# Altium PCB Bran_Main_Assay_PCB_v2_20170726.PcbDoc (part 2 of 5)
Units mil, origin at the board's own origin, x right, y up, seen from the top; angles counter-clockwise.
Board outline 3608.46 x 1899.79 mil, 6 copper layers (TOP, GND1, Singal, POWER, GND2, BOTTOM), stack 31.508 mil thick; 365 components, 289 nets, 1399 pads, 974 vias.
Unrouted connection lines stored in the file: 1.
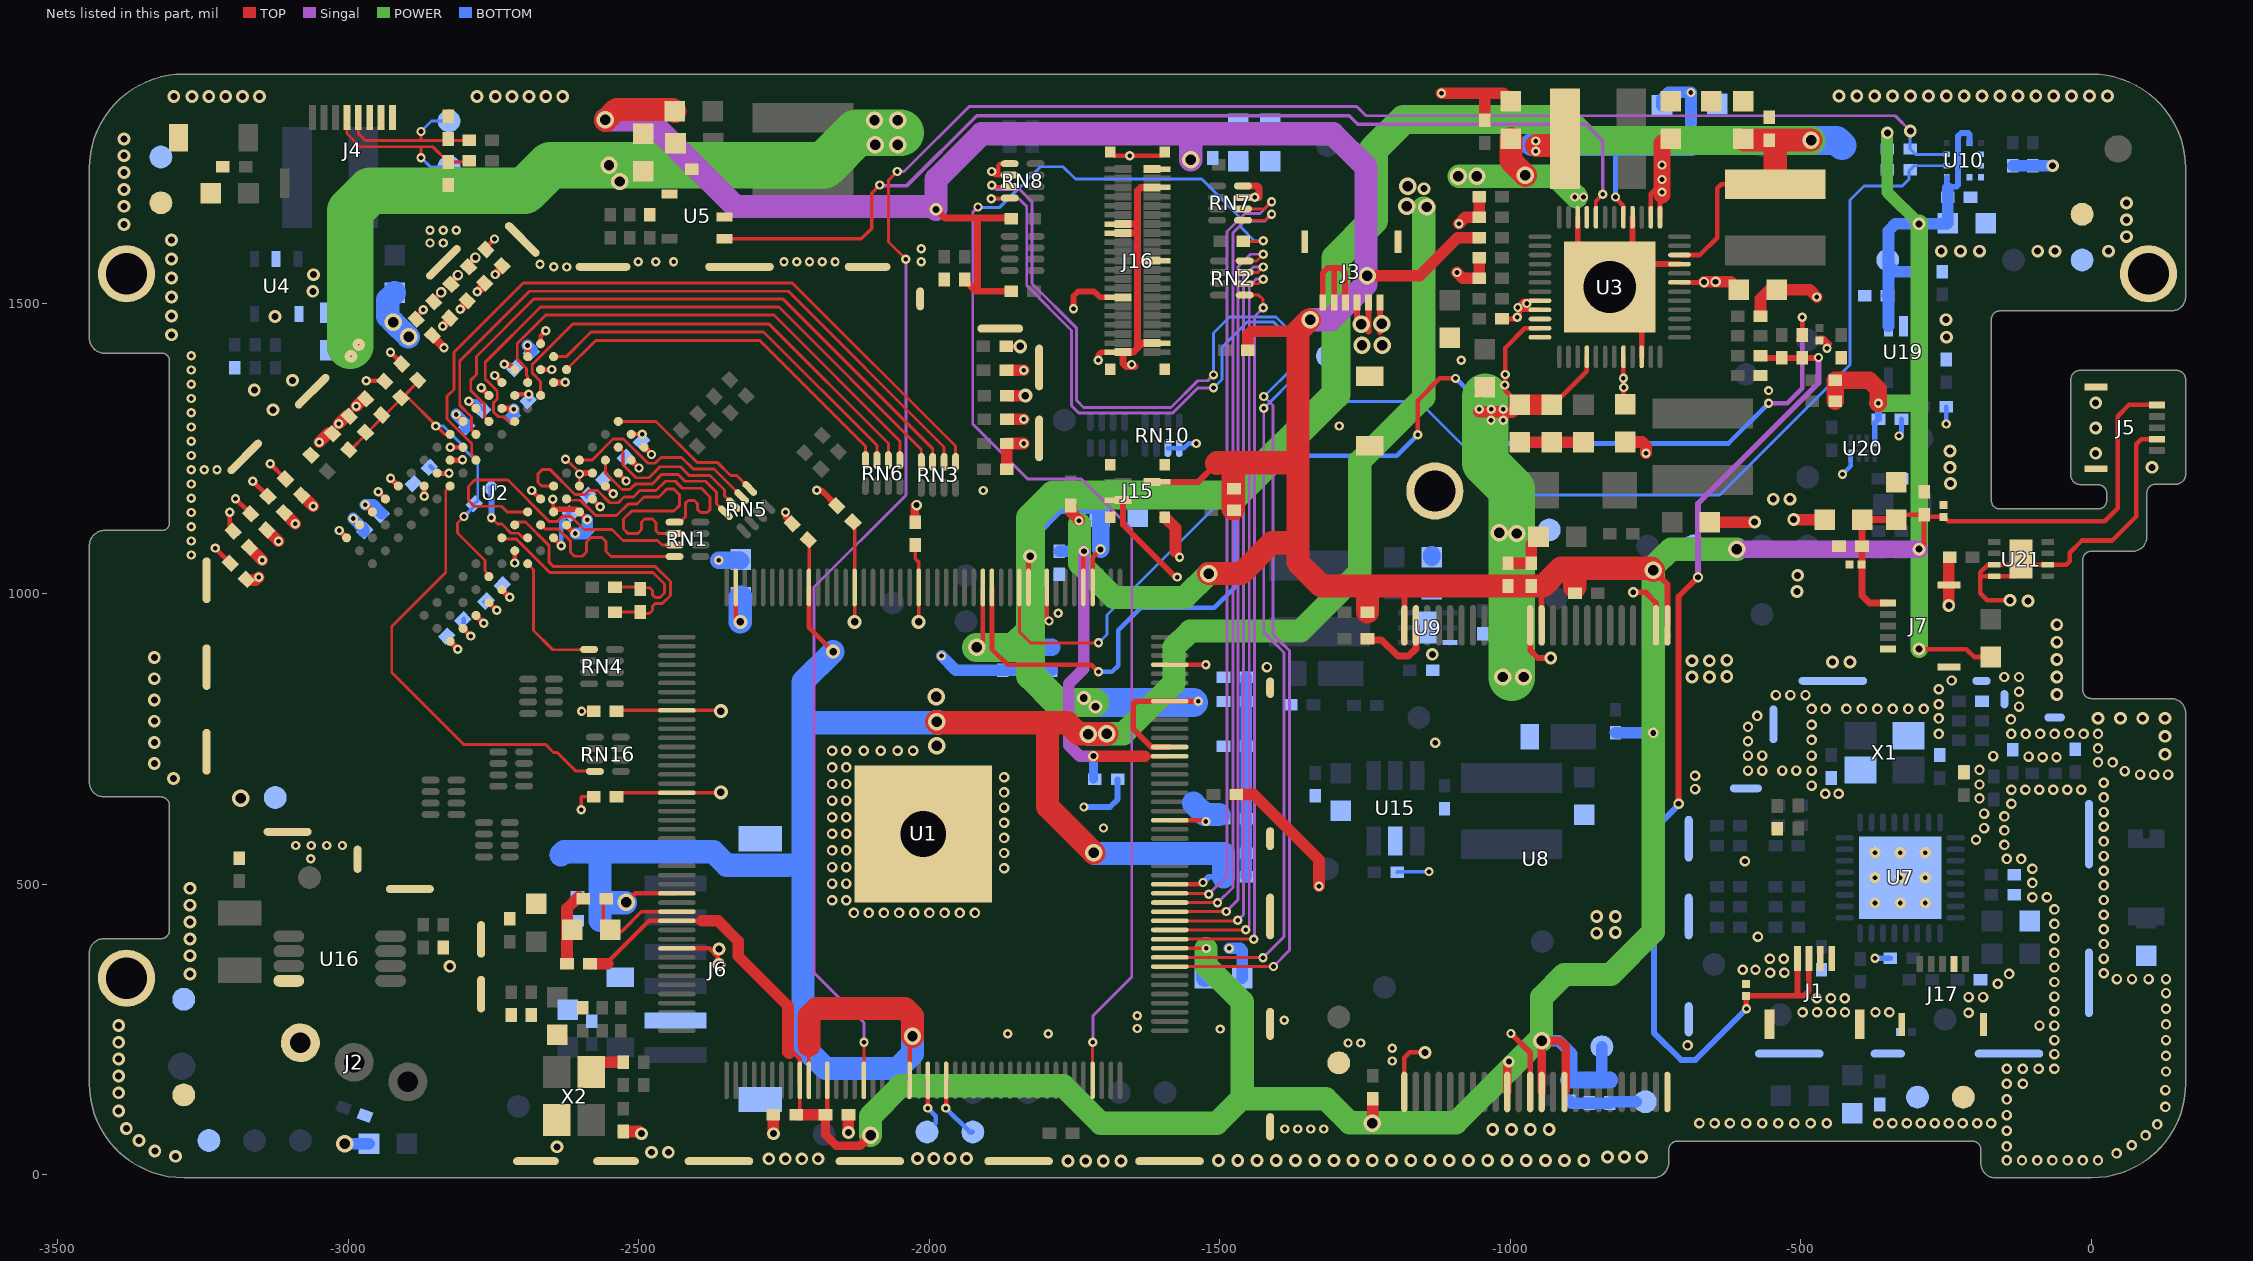
[diagram p6: the nets of this part, all layers, seen from the top]

## Via types
v1: diameter 16, hole 8, TOP to BOTTOM, tented both sides, 429 vias
v2: diameter 18, hole 10, TOP to BOTTOM, tented both sides, 255 vias
v3: diameter 22, hole 12, TOP to BOTTOM, tented both sides, 197 vias
v4: diameter 30, hole 18, TOP to BOTTOM, tented both sides, 69 vias
v5: diameter 24, hole 13, TOP to BOTTOM, tented both sides, 11 vias
v6: diameter 19.68, hole 7.87, TOP to BOTTOM, 9 vias
v7: diameter 22, hole 2, TOP to BOTTOM, tented both sides, 2 vias
v8: diameter 20, hole 10, TOP to BOTTOM, tented both sides, 1 vias
v9: diameter 17.99, hole 10, TOP to BOTTOM, tented both sides, 1 vias

## Nets (pads, with @x,y where several pads share a name; then routed paths per layer and width w, separated by ;. In a path a pad name is that pad's centre, name@x,y a point inside that pad or via, vN(x,y) a via of type N, cw(c..) or ccw(c..) an arc to the next point about the centre after c; other vN are vias at no path point) (continued)
BUTTON: D2.1 J1.1 J1.2 R22.2 R211.1 R212.1 TP31.1 | length 1898.2
  TOP w10: v2(-710.46,639) -710.46,995.39 v2(-677.02,1028.83) ; D2.1@-594,307.57 -594,286.54 v1(-593.46,286) ; D2.1@-594,308.31 -494.02,308.31 -486.22,316.1 J1.2@-486.22,368.11 ; D2.1@-593.46,304.57 -593.46,307.57 D2.1@-593.46,308.01 ; R22.2@-569.32,1410.11 -565.53,1406.32 R211.1@-532.46,1406.32 R212.1@-497.46,1406.32 v1@-470.15,1406.32 ; -505.91,310.2 J1.1@-505.91,368.11
  Singal w10: v2(-677.02,1028.83) -677.02,1155.45 -469.46,1363 v1(-469.46,1407)
  BOTTOM w10: v2@-709.46,638 -752.46,595 -752.46,244 -706.46,197.99 -681.47,197.99 v1(-593.46,286) ; TP31.1@-685.04,1082.68 -677.02,1074.65 v2(-677.02,1028.83)
BUTTON_1: R212.2 U1.15 | length 2150.9
  TOP w8: U1.15@-1892.32,1011.13 -1892.32,904.85 -1865.46,878 -1721.19,878 v1(-1709.02,865.83) ; v1(-1159.46,1274) -1159.46,1332.83 -1121.3,1370.99 v1(-1094.3,1370.99) ; R212.2@-497.46,1445.69 v1(-497.46,1476)
  Singal w8: v1(-555.46,1328) -523.46,1328 -497.46,1354 v1(-497.46,1476)
  BOTTOM w8: v1(-1709.02,865.83) -1685.64,865.83 -1674.78,876.69 -1674.78,937.69 -1636.46,976 -1509.46,976 -1473.54,1011.92 -1473.54,1169.99 -1405.53,1238 -1195.46,1238 v1(-1159.46,1274) ; v1(-1094.3,1370.99) -1070.02,1346.71 -1070.02,1306.65 -1022.37,1259 -624.46,1259 v1(-555.46,1328)
CAS: RN16.4 U2.K3 | length 782.8
  TOP w5: U2.K3@-2825,1185.69 -2832.43,1178.26 -2832.43,1036.92 -2925.43,943.92 -2925.43,864.92 -2801.43,740.92 -2660.49,740.92 -2646.73,727.16 -2640.67,727.16 -2608.43,694.92 -2575.99,694.92 RN16.4@-2575.57,694.51
CHGLED: U3.36
CKE: RN4.1 U2.K9 | length 228.8
  TOP w5: U2.K9@-2691.38,1052.06 -2681.43,1042.11 -2681.43,937.05 -2669.41,925.03 -2663.76,919.39 -2648.29,903.92 -2602.32,903.92 -2601.79,904.45 RN4.1@-2585.66,904.45
CORE-VDD: C28.2 C29.2 C30.2 C49.1 C55.1 C56.1 C117.1 L4.2 TP9.1 U1.35 U1.73 U1.98 U1.109 U1.149 U3.17 | length 5292.2
  TOP w6: U1.98@-2207.28,162.71 -2207.28,223.31 ; U1.35@-2207.28,1011.13 -2206.82,1011.59 C49.1@-2206.82,1091.3
  TOP w8: v4(-2521.95,469.23) -2506.62,484.56 U1.73@-2434.64,484.56 ; U1.35@-2207.28,1011.13 -2207.28,942.46 v5(-2165.65,900.83) ; U1.109@-2034.05,162.71 -2034.05,233.27 v4(-2029.02,238.31) ; U1.149@-1586.22,500.31 v1@-1532.01,500.31 ; v1(-819.02,1683.31) -819.02,1681.7 -805.39,1668.08 U3.17@-805.39,1648.39
  TOP w40: -2207.28,223.31 -2207.28,273.04 -2194.02,286.31 -2042.02,286.31 -2029.02,273.31 v4(-2029.02,238.31) ; v4(-1987.3,779.99) -1985.61,778.31 -1762.45,778.31 -1743.37,759.23 -1726.45,759.23 v4(-1694.45,759.23) ; -1796.52,775.81 -1796.52,633.8 v4(-1716.95,554.23) ; -955.02,1771.74 -917.67,1771.74 L4.2@-906.1,1783.31
  POWER w40: v4(-1726.45,758.74) -1725.96,759.23 v4(-1694.45,759.23) -1666.06,759.23 -1579.02,846.28 -1579.02,908.31 -1551.32,936 -1361.32,936 -1259.02,1038.31 -1259.02,1228.31 -1149.02,1338.31 v4@-1149.02,1664.17
  BOTTOM w8: v1(-819.02,1683.31) -819.02,1768.19
  BOTTOM w10: v1(-1529.02,503.31) -1519.02,513.31 C28.2@-1493.7,513.31
  BOTTOM w20: C29.2@-2566.26,478.99 -2556.5,469.23 v4(-2521.95,469.23) ; -2207.65,223.31 -2207.65,316.83
  BOTTOM w40: TP9.1@-2633.86,551.18 -2628.72,556.32 -2566.96,556.32 ; C117.1@-2566.96,437.83 -2566.96,468.31 ; v4@-2522.87,468.31 -2566.26,468.31 -2566.96,468.31 ; v5@-2165.74,900.63 -2217.65,848.73 -2217.65,778.31 ; v4(-2029.02,238.31) -2029.02,208.31 -2054.02,183.31 -2179.02,183.31 -2217.65,221.94 -2217.65,533.31 ; v4(-1987.3,779.99) -1985.7,779.99 -1984.02,778.31 -1987.3,778.31 -2217.65,778.31 ; v4@-1715.65,553.31 C30.2@-1493.7,553.31 C28.2@-1493.7,513.31 ; v1@-956.45,1773.62 -963.46,1773.62 -739.02,1773.62 C56.1@-689.02,1773.62 ; -2566.96,468.31 -2566.96,478.99 -2566.96,556.32 ; -2566.96,556.32 -2372.14,556.32 -2348.9,533.08 -2243.99,533.08 -2243.77,533.31 -2217.65,533.31 ; -2217.65,533.31 -2217.65,778.31
  other v1: -956.45,1761.74 -956.45,1779.74
  other v3: -1148.38,1697.51
  other v4: -1987.3,738.99 -1988.3,822.99 -1143.94,1665.99 -1177.94,1666.99 -1176.94,1701.99
CPU-VDD: C20.2 C21.2 C22.2 C23.2 C24.2 C25.2 C26.2 C27.2 C46.1 C48.1 L2.2 TP8.1 U1.4 U1.9 U1.11 U1.16 U1.156 U1.164 U1.169 U1.173 U3.10 | length 4230.7
  TOP w8: -1908.07,918.62 U1.16@-1908.07,1011.13 ; U1.11@-1829.33,1011.13 -1829.33,1064.83 v5(-1826.65,1064.83) ; U1.9@-1797.83,1011.13 -1797.83,957.12 v1(-1794.02,953.31) ; U1.4@-1719.09,1011.13 -1719.09,1063.1 v2(-1705.45,1076.74) ; U1.156@-1586.22,610.54 v1@-1526.25,610.54 ; U1.173@-1586.22,878.26 v1@-1524.06,878.26 ; U3.10@-708.94,1583.43 -673.9,1583.43 -644.02,1613.31 -644.02,1698.31 -636.93,1705.39 L2.2@-544.02,1705.39
  TOP w10: U1.164@-1586.22,736.53 -1617.9,736.53 -1649.02,767.65 -1649.02,810.27 -1644.02,815.27 U1.169@-1586.22,815.27 v1(-1537.05,815.27)
  TOP w40: C46.1@-596.83,1781.14 C48.1@-554.02,1781.14 -544.02,1781.14 ; L2.2@-544.02,1705.39 -544.02,1781.14 ; v4@-482.76,1781.14 -544.02,1781.14
  POWER w50: v4(-1918.7,907.99) -1854.33,907.99 -1825.65,936.68 ; v5@-1715.65,812.83 -1734.02,812.83 -1778.54,812.83 -1825.65,859.94 -1825.65,936.68 ; v4(-482.45,1780.83) -870.29,1780.83 -906.2,1816.74 -1183.55,1816.74 -1235.44,1764.85 -1235.44,1643.03 -1300.46,1578 -1300.46,1343.72 -1473.88,1170.31 -1785.91,1170.31 -1825.65,1130.57 -1825.65,1064.83 -1825.65,953.31 -1825.65,936.68
  BOTTOM w30: C23.2@-1874.02,907.99 C21.2@-1829.02,907.99 ; C22.2@-1789.02,907.99 C21.2@-1829.02,907.99 ; v2@-1705.02,1076.74 -1705.02,1133.31 -1705.02,1152.83 -1706.52,1152.83 -1778.65,1152.83 -1826.65,1104.83 v5(-1826.65,1064.83) -1826.65,910.36 C21.2@-1829.02,907.99
  BOTTOM w40: -1545.5,639.79 -1526.02,620.31 -1524.02,620.31 C24.2@-1502.02,620.31
  BOTTOM w50: v5@-1721.63,813.31 -1714.02,813.31 -1545.98,813.31 ; -1545.98,812.83 -1545.98,813.31 ; -1545.5,813.31 -1545.98,813.31 ; v4(-482.45,1780.83) -438.31,1780.83 TP8.1@-429.13,1771.65
  other v1: -1524.02,608.31 -1524.02,878.31
  other v5: -1714.02,805.83 -1734.02,820.83
D+: D7.1 J4.5 R158.1 TP53.1 | length 294.3
  TOP w5: J4.5@-2982.99,1820.08 -2982.99,1792.43 -2971.31,1780.74 -2874.94,1780.74 ; v1(-2874.94,1795.99) -2874.94,1780.74 ; R158.1@-2792.13,1780.74 -2828.45,1780.74 -2874.94,1780.74
  BOTTOM w5: v1(-2874.94,1795.99) -2856.87,1814.06 TP53.1@-2826.77,1814.06
D-: D8.1 J4.4 R157.1 TP52.1 | length 332.9
  TOP w5: J4.4@-3002.68,1820.08 -3002.68,1792.43 -2979.99,1769.74 -2874.94,1769.74 ; v1(-2874.94,1750.99) -2874.94,1769.74 ; R157.1@-2792.13,1745.74 -2794.45,1743.43 D8.1@-2828.45,1743.43 -2854.76,1769.74 -2874.94,1769.74
  BOTTOM w5: v1(-2874.94,1750.99) -2859.28,1735.32 TP52.1@-2826.77,1735.32
DCIN-5V: D5.1 J3.1 J3.2 J3.3 R14.2 TP32.1 U3.32 U3.33 | length 267.1
  TOP w8: R14.2@-1014.33,1473.31 -990.73,1473.31 v1(-988.05,1475.99) -984.02,1480.03 -984.02,1492.99 -984.02,1498.31 -977.64,1504.69 -971.94,1504.69 U3.32@-949.09,1504.69 ; v1@-983.79,1488.94 -971.94,1488.94 U3.33@-949.09,1488.94
  TOP w10: v4@-1263.78,1459.96 -1263.78,1463.99 J3.3@-1263.78,1501.97 ; -1244.09,1451.38 -1244.09,1463.99 J3.2@-1244.09,1501.97 ; v4@-1224.41,1451.06 -1224.41,1464.99 J3.1@-1224.41,1501.97
  other v1: -986.94,1492.99 -971.94,1499.99
  other v4: -1255.3,1427.99 -1220.3,1427.99 -1256.3,1463.99 -1221.3,1464.99
DQ0: RN3.4 U2.E3 | length 1053.2
  TOP w5: U2.E3@-2713.65,1297.04 -2723.7,1297.04 -2731.6,1304.94 -2741.88,1304.94 -2750.3,1313.36 -2750.3,1329.13 -2743.81,1335.62 -2743.81,1349.13 -2764.43,1369.75 -2764.43,1398.92 -2669.43,1493.92 -2259.06,1493.92 -2013.96,1248.82 RN3.4@-2013.96,1227.14
DQ1: RN1.1 U2.F7 | length 527.6
  TOP w5: U2.F7@-2646.84,1185.69 -2667.2,1185.69 -2673.43,1191.92 -2673.43,1206.92 -2666.43,1213.92 -2652.42,1213.92 -2609.81,1171.31 -2592.48,1171.31 -2585.99,1177.8 -2571.1,1177.8 -2550.22,1156.92 -2535.43,1156.92 -2525.43,1166.92 -2509.43,1166.92 -2498.43,1177.92 -2470.43,1177.92 -2454.43,1193.92 -2437.43,1193.92 -2425.43,1181.92 -2392.43,1181.92 -2377.43,1166.92 -2377.43,1144.92 -2382.43,1139.92 -2393.43,1139.92 -2399.43,1145.92 -2399.43,1155.84 -2404.43,1160.84 -2415.51,1160.84 -2419.43,1156.92 -2419.43,1133.44 -2429.42,1123.45 RN1.1@-2438.66,1123.45
DQ2: RN3.3 U2.F2 | length 1084.7
  TOP w5: U2.F2@-2758.2,1297.04 -2766.26,1305.1 -2766.08,1313.35 -2766.08,1326.85 -2789.43,1350.2 -2789.43,1367.92 -2779.43,1377.92 -2779.43,1408.91 -2680.42,1507.92 -2252.43,1507.92 -1994.27,1249.76 RN3.3@-1994.27,1227.14
DQ3: RN1.2 U2.F8 | length 498.2
  TOP w5: U2.F8@-2624.57,1163.41 -2622.47,1161.31 -2600.82,1161.31 -2574.43,1134.92 -2538.43,1134.92 -2518.43,1154.92 -2503.43,1154.92 -2491.43,1166.92 -2465.43,1166.92 -2451.97,1180.38 -2439.89,1180.38 -2430.43,1170.92 -2430.43,1151.92 -2439.43,1142.92 -2512.43,1142.92 -2526.43,1128.92 -2526.43,1111.92 -2518.27,1103.76 -2502.59,1103.76 -2495.43,1110.92 -2495.43,1123.94 -2490.42,1128.95 -2476.46,1128.95 -2470.43,1122.92 -2470.43,1108.76 -2465.43,1103.76 RN1.2@-2438.66,1103.76
DQ4: RN3.1 U2.H3 | length 1267.4
  TOP w5: U2.H3@-2780.46,1230.23 -2780.46,1232.31 -2787.73,1239.58 -2787.73,1258.71 -2796.53,1267.52 -2830.11,1301.1 -2830.11,1340.24 -2818.43,1351.92 -2818.43,1415.91 -2699.42,1534.92 -2235.43,1534.92 -1954.9,1254.39 RN3.1@-1954.9,1227.14
DQ5: RN1.4 U2.H8 | length 310.8
  TOP w5: U2.H8@-2669.11,1118.87 -2662.16,1111.92 -2638.65,1111.92 -2617.43,1090.7 -2617.43,1071.39 -2610.96,1064.92 -2597.44,1064.92 -2589.97,1072.39 -2589.97,1089.38 -2582.43,1096.92 -2563.43,1096.92 -2556.43,1089.92 -2556.43,1072.91 -2547.91,1064.39 RN1.4@-2438.66,1064.39
DQ6: RN3.2 U2.G2 | length 1158.2
  TOP w5: U2.G2@-2780.47,1274.77 -2788.36,1282.66 -2788.36,1304.58 -2808.43,1324.65 -2808.43,1400.92 -2688.43,1520.92 -2242.43,1520.92 -1974.59,1253.08 RN3.2@-1974.59,1227.14
DQ7: RN1.3 U2.H7 | length 546.8
  TOP w5: U2.H7@-2691.38,1141.15 -2726.66,1141.15 -2736.43,1150.92 -2783.43,1150.92 -2793.43,1160.92 -2793.43,1184.92 -2782.43,1195.92 -2725.43,1195.92 -2654.43,1124.92 -2640.42,1124.92 -2632.09,1133.25 -2616.75,1133.25 -2594.42,1110.92 -2546.43,1110.92 -2527.43,1091.92 -2468.17,1091.92 -2460.33,1084.08 RN1.3@-2438.66,1084.08
DQ8: RN5.2 U2.D7 | length 343.6
  TOP w5: U2.D7@-2602.3,1230.23 -2580.97,1230.23 -2544.33,1266.87 -2529.53,1266.87 -2526.36,1266.69 -2484.58,1224.91 -2472.14,1224.91 -2462.13,1234.92 -2426.43,1234.92 -2406.43,1214.92 -2370.52,1214.92 RN5.2@-2323.19,1167.6
DQ9: RN6.2 U2.C3 | length 815.5
  TOP w5: U2.C3@-2669.11,1341.58 -2669.11,1365.77 -2683.5,1380.16 -2683.5,1395.05 -2613.63,1464.92 -2276.43,1464.92 -2070.59,1259.08 RN6.2@-2070.6,1230.15
DQ10: RN5.4 U2.C8 | length 290.5
  TOP w5: U2.C8@-2557.75,1230.23 -2557.75,1208.29 -2528.97,1179.51 -2515.82,1179.51 -2506.41,1188.92 -2477.58,1188.92 -2460.58,1205.92 -2432.43,1205.92 -2420.43,1193.92 -2385.43,1193.92 -2366.36,1174.85 -2366.36,1155.09 RN5.4@-2351.03,1139.76
DQ11: RN6.1 U2.C2 | length 876.3
  TOP w5: U2.C2@-2691.38,1363.86 -2691.38,1373.89 -2693.5,1376.01 -2693.5,1387.91 -2709.43,1403.84 -2709.43,1431.08 -2697.76,1442.59 -2660.43,1479.92 -2267.43,1479.92 -2050.9,1263.39 RN6.1@-2050.91,1230.15
DQ12: RN5.1 U2.A7 | length 274.1
  TOP w5: U2.A7@-2535.49,1297.04 -2470.4,1297.04 -2399.28,1225.92 -2364.43,1225.92 -2342.43,1203.92 -2331.67,1203.92 RN5.1@-2309.27,1181.52
DQ13: RN6.3 U2.A2 | length 680.6
  TOP w5: U2.A2@-2646.84,1408.4 -2624.95,1408.4 -2582.43,1450.92 -2285.43,1450.92 -2090.27,1255.76 RN6.3@-2090.28,1230.15
DQ14: RN5.3 U2.B8 | length 275.8
  TOP w5: U2.B8@-2535.49,1252.49 -2527.6,1244.6 -2527.6,1224.27 ; RN5.3@-2337.11,1153.68 -2352.43,1169.01 -2352.43,1178.92 -2377.43,1203.92 -2413.43,1203.92 -2428.44,1218.93 -2463.42,1218.93 -2482.43,1199.92 -2504.85,1199.92 -2527.14,1222.21 ; -2527.6,1224.27 -2527.14,1222.21 ; -2527.6,1224.27 -2527.14,1223.81 -2527.14,1222.21
DQ15: RN6.4 U2.A3 | length 634.5
  TOP w5: U2.A3@-2624.57,1386.12 -2574.77,1435.92 -2291.72,1435.92 -2109.96,1254.16 RN6.4@-2109.97,1230.15
DRAM-REF: C81.1 C83.2 C95.1 C96.1 R86.1 R90.2 U2.H1 U2.M8 | length 630.5
  TOP w5: C95.1@-2997.84,1246.33 -2968.84,1275.33 -2968.84,1276.33 C83.2@-2940.84,1304.33 ; C83.2@-2940.84,1306.33 C83.2@-2940.84,1304.33 ; R86.1@-2878.84,1366.33 -2908.34,1336.83 C81.1@-2908.84,1336.33 ; U2.H1@-2825,1274.77 -2834.28,1274.77 v1@-2848.93,1289.42 ; v1(-2801.05,1133.3) -2812.43,1121.92 -2812.43,1104.92 -2765.12,1057.61 -2765.12,1039.95 -2758.2,1033.03 U2.M8@-2758.2,1029.78 ; C83.2@-2940.84,1304.33 -2939.84,1305.33 C81.1@-2908.84,1336.33 ; C81.1@-2908.84,1336.33 -2895.84,1336.33 v1@-2851.43,1291.92 ; v1@-2851.43,1291.92 -2851.43,1290.92 v1(-2849.43,1288.92) ; v1@-2851.43,1291.92 v1(-2849.43,1288.92) ; v1@-2851.43,1291.92 v1@-2848.93,1289.42 ; v1(-2849.43,1288.92) v1@-2848.93,1289.42
  BOTTOM w5: v1(-2849.43,1288.92) -2836.68,1288.92 -2807.35,1259.59 -2807.35,1256.06 -2777.43,1226.14 C96.1@-2777.43,1160.92 ; C96.1@-2785.02,1149.33 -2785.02,1153.33 C96.1@-2783.35,1155 C96.1@-2777.43,1160.92 ; C96.1@-2777.65,1160.7 C96.1@-2777.43,1160.92
  BOTTOM w6: v1(-2801.05,1133.3) C96.1@-2785.02,1149.33 ; C96.1@-2783.35,1155 C96.1@-2777.65,1160.7
DRAM-VCC: C33.2 C34.2 C35.2 C36.2 C81.2 C82.1 C85.1 C86.1 C87.1 C88.1 C89.1 C90.1 C91.1 C92.1 C93.1 C94.1 C97.1 C98.1 C99.1 C100.1 C101.1 C102.1 C103.1 C104.1 C105.1 C106.1 C142.2 L13.1 R86.2 R89.2 TP49.1 U1.23 U1.30 U1.43 U1.53 U1.62 U2.A1 U2.A8 U2.B2 U2.C1 U2.C9 U2.D2 U2.D9 U2.E9 U2.F1 U2.G7 U2.H2 U2.H9 U2.K2 U2.K8 U2.N1 U2.N9 U2.R1 U2.R9 | length 1904.5
  TOP w6: v2@-2812.04,1548.31 v2(-2811.43,1548.92) ; C36.2@-2536.12,651 -2536.12,652.32 -2530.65,657.79 U1.62@-2434.64,657.79 v5@-2359.53,657.79 ; C33.2@-2536.1,798.17 -2534.75,799.52 U1.53@-2434.64,799.52 -2360.23,799.52 v5(-2359.02,798.31) ; C34.2@-2129.84,1122.33 -2128.65,1121.14 -2128.65,1011.13 -2128.65,1011.02 U1.30@-2128.54,1011.13 v5@-2128.54,951.93 ; v5(-2128.65,951.83) v5@-2128.65,951.93 ; C35.2@-2024.43,1081.87 -2024.43,1060.83 -2018.65,1055.04 -2018.65,1011.13 v5@-2018.65,956.83
  TOP w8: v1(-3229.43,1078.92) C90.1@-3205.02,1054.51 ; C91.1@-3202.43,1111.92 C91.1@-3200.02,1109.51 ; v1@-3202.43,1139.24 v1(-3204.02,1140.83) -3204.02,1113.51 C91.1@-3198.35,1107.84 ; v1(-3194.43,1163.92) C92.1@-3170.02,1139.51 ; v1(-3164.43,1193.92) C93.1@-3140.02,1169.51 ; v1(-3134.43,1223.92) C94.1@-3110.02,1199.51 ; v1(-2991.65,1129.83) -2980.9,1119.08 U2.R1@-2980.9,1118.87 ; v1(-2969.45,1366.74) -2939.79,1366.74 C81.2@-2939.02,1367.51 ; v1(-2948.59,1175.64) U2.N1@-2936.36,1163.41 ; v1(-2927.55,1416.04) -2910.02,1398.51 R86.2@-2910.02,1397.51 ; C102.1@-2885.02,1475.33 v1(-2871.43,1488.92) ; C103.1@-2855.01,1504.52 v2(-2840.43,1518.92) ; U2.K2@-2847.28,1207.96 v1(-2826.9,1207.96) ; v1(-2824.85,1252.33) U2.H2@-2802.74,1252.5 ; U2.R9@-2802.74,940.71 v1(-2789.49,927.46) ; C105.1@-2795.02,1564.51 -2795.02,1565.33 v2(-2781.43,1578.92) ; v1(-2793.03,1331.87) U2.F1@-2780.46,1319.31 ; C106.1@-2765.01,1594.52 v1(-2748.43,1610.92) ; U2.N9@-2758.2,985.25 v1(-2744.75,971.8) ; v1(-2713.65,1053.14) U2.K8@-2713.65,1074.33 ; U2.D2@-2713.66,1341.58 -2711.66,1343.58 v1(-2689.39,1343.58) ; U2.C1@-2713.65,1386.12 -2721.45,1393.92 v1@-2728.2,1393.92 ; v1(-2684.43,1177.92) -2669.92,1163.41 U2.G7@-2669.12,1163.41 ; U2.B2@-2669.12,1386.12 v1(-2649.92,1386.3) ; U2.A1@-2669.11,1430.66 -2669.11,1444.24 v1(-2660.43,1452.92) ; U2.H9@-2646.84,1096.61 v1(-2633.4,1083.16) ; U2.E9@-2580.03,1163.42 v1(-2566.75,1150.14) ; U2.D9@-2557.76,1185.69 v1(-2544.32,1172.24) ; U2.C9@-2535.49,1207.96 v1(-2522.04,1194.51) ; U2.A8@-2513.21,1274.77 v1(-2494.01,1274.77) ; U1.43@-2333.26,1011.13 -2333.26,959.66 v5(-2325.43,951.83) ; R89.2@-1865.45,1426.27 -1843.59,1426.27 v5@-1837.08,1426.27 ; v1@-2728.2,1393.92 -2729.43,1395.15 v1(-2731.92,1395.15) v1@-2728.2,1393.92
  TOP w10: C104.1@-2825.02,1534.51 -2812.04,1547.49 v2@-2812.04,1548.31
  TOP w20: C82.1@-1864,1341.38 v5(-1834.89,1341.38)
  BOTTOM w8: C89.1@-2858.84,1219.51 -2847.29,1207.96 v1(-2826.9,1207.96) ; C98.1@-2801.52,956.83 -2801.52,955.16 -2801.52,943.75 -2803.65,941.62 v1(-2789.49,927.46) ; v1(-2793.03,1331.87) -2781.12,1331.87 C99.1@-2766.76,1317.51 ; C97.1@-2764.9,986.14 -2763.22,986.14 C97.1@-2761.65,986.14 ; C97.1@-2761.65,986.14 -2759.09,986.14 v1(-2744.75,971.8) ; v1(-2731.92,1395.15) -2723.84,1395.15 C100.1@-2715.02,1386.33 ; v1(-2689.39,1343.58) -2688.84,1343.03 C101.1@-2688.84,1334.51 ; v1(-2633.4,1083.16) -2633.4,1126.13 C88.1@-2620.03,1139.5 ; C85.1@-2590.02,1168.33 -2588.35,1168.33 -2587.93,1168.33 -2587.3,1168.96 -2586.43,1169.83 v1(-2566.75,1150.14)
  BOTTOM w20: v1(-2991.65,1129.83) -2973.4,1111.58 -2973.4,1108.66 C87.1@-2973.4,1106.99
  BOTTOM w40: L13.1@-2920.45,1518.24 -2932.45,1506.24 -2932.45,1477.74 -2922.66,1467.95 -2897.03,1442.32 v4(-2896.45,1442.32) ; v5(-2325.43,951.83) -2325.43,993.54 C142.2@-2324.65,994.33
  other v4: -3185.46,648 -2923.1,1467.5
  other v5: -2359.02,658.31 -2018.65,951.83 -1843.59,1426.18
DSCK: C109.2 R65.1 U2.J7 | length 463.7
  TOP w5: U2.J7@-2713.66,1118.87 -2708.61,1123.92 -2695.43,1123.92 -2654.43,1082.92 -2654.43,1054.43 -2646.92,1046.92 -2471.43,1046.92 -2445.85,1021.34 -2445.85,997.45 -2459.65,983.65 -2471.76,983.65 -2476.76,978.65 -2476.76,971.6 -2481.76,966.6 -2497.82,966.6 -2499,967.78 -2499.87,968.65 R65.1@-2538.77,968.64
DSCK-N: C109.1 R68.1 U2.K7 | length 426.4
  TOP w5: U2.K7@-2735.92,1096.61 -2733.8,1094.49 -2711.15,1094.49 -2653.58,1036.92 -2475.58,1036.92 -2455.85,1017.19 -2455.85,1001.6 -2463.8,993.65 -2471.76,993.65 -2476.76,998.65 -2476.76,1005.7 -2481.76,1010.7 -2497.82,1010.7 -2498.77,1011.65 R68.1@-2538.78,1011.65
EXTEN: U3.20 U5.1 | length 1788.6
  TOP w6: U5.1@-2352.45,1611.34 -2117.13,1611.34 -2099.46,1629 -2099.46,1690 v1(-2085.46,1704) ; U3.20@-852.64,1648.39 -852.64,1676.3 v1(-840.94,1687.99)
  Singal w6: v1@-2084.46,1703 -2038.46,1703 -1918.46,1823 -1277.46,1823 -1262.7,1808.24 -869.19,1808.24 -840.94,1779.99 v1(-840.94,1687.99)
G_INT1: R130.2 U1.104 U10.12 | length 3589.2
  TOP w5: U1.104@-2112.79,162.71 v1@-2112.79,228.16 ; v1(-2055.46,1727) -2070.46,1712 -2070.46,1606 v1(-2040.46,1576)
  Singal w5: v1(-2112.65,228.31) -2112.65,261.94 -2198.65,347.94 -2198.65,1011.83 -2040.46,1170.01 v1(-2040.46,1576) ; v1(-2055.46,1727) -2043.46,1727 -1931.46,1839 -1264.46,1839 -1248.46,1823 -337.46,1823 v3(-311.46,1797)
  BOTTOM w5: v3@-311.76,1796.7 R130.2@-311.76,1765.83 -302.6,1756.67 U10.12@-248.98,1756.67
G_INT2: R129.2 U1.12 U10.11 | length 2348
  TOP w5: U1.12@-1845.08,1011.13 -1845.08,934.9 -1826.01,915.83 v1(-1709.02,915.83)
  BOTTOM w5: v1(-1709.02,915.83) -1694.52,930.33 -1694.52,963.87 -1327.38,1331 -1157.3,1331 -996.29,1169.99 -639.8,1169.99 -415.45,1394.34 -415.45,1678.02 -391.46,1702 -325.46,1702 -313.46,1714 -313.46,1728.31 R129.2@-311.76,1730 -304.79,1736.99 U10.11@-248.98,1736.99
GND: C2.1 C3.1 C4.1 C5.1 C7.1 C8.1 C9.1 C10.1 C15.2 C16.1 C17.1 C18.1 C19.1 C20.1 C21.1 C22.1 C23.1 C24.1 C25.1 C26.1 C27.1 C28.1 C29.1 C30.1 C31.1 C32.1 C33.1 C34.1 C35.1 C36.1 C37.1 C38.1 C39.2 C40.1 C41.1 C44.2 C45.2 C46.2 C47.2 C48.2 C49.2 C50.2 C51.2 C52.2 C53.2 C54.2 C55.2 C56.2 C57.2 C59.1 C60.2 C61.2 C62.1 C63.1 C64.2 C65.2 C66.2 C67.2 C68.2 C69.1 C70.1 C71.1 C83.1 C84.2 C85.2 C86.2 C87.2 C88.2 C89.2 C90.2 C91.2 C92.2 C93.2 C94.2 C95.2 C96.2 C97.2 C98.2 C99.2 C100.2 C101.2 C102.2 C103.2 C104.2 C105.2 C106.2 C111.1 C116.1 C117.2 C120.1 C121.1 C122.1 C123.1 C142.1 C145.1 C146.1 C148.1 C152.1 C154.1 C155.1 C156.2 C157.2 C158.1 C159.2 C174.2 C175.2 C176.2 C204.1 C207.1 C208.1 C209.1 C215.2 C216.2 C220.2 C221.2 C225.2 C226.2 C227.2 C228.2 C235.2 C236.2 C237.2 C238.2 C240.1 C241.2 C242.2 C243.1 C244.1 C246.2 C247.2 C248.1 C249.1 C250.2 C251.1 D2.2 D4.1 D5.2 D6.2 D7.2 D8.2 D13.2 D14.2 D15.2 D19.2 J1.3 J1.4 J1.5 J1.6 J2.3 J3.4 J3.5 J3.6 J3.7 J3.8 J4.6 J4.7 J4.8 J5.4 J5.6 J5.7 J6.2 J6.7 J6.8 J7.1 J7.6 J7.7 J15.6 J15.7 J15.8 J15.9 J15.10 J16.5 J16.14 J16.16 J16.21 J16.30 J16.39 J16.42 J16.43 J16.44 J16.45 J16.46 J17.4 J17.6 J17.7 pad.0 pad.1 R1.1 R2.1 R12.1 R17.1 R19.1 R28.2 R35.2 R50.1 R71.1 R90.1 R91.1 R94.1 R151.1 R155.1 R160.2 R178.1 R180.2 R188.1 R190.2 R210.2 RN7.3 RN7.4 RN8.1 RN8.2 RN10.1 RN10.2 TP4.1 TP15.1 TP16.1 TP17.1 TP18.1 TP19.1 TP20.1 TP21.1 TP22.1 TP24.1 TP56.1 U1.79 U1.177 U2.A9 U2.B1 U2.B3 U2.B9 U2.D1 U2.D8 U2.E1 U2.E2 U2.E8 U2.F9 U2.G1 U2.G8 U2.G9 U2.J2 U2.J8 U2.L2 U2.M1 U2.M9 U2.P1 U2.P9 U2.T1 U2.T9 U3.9 U3.16 U3.22 U3.46 U3.49 U4.2 U5.2 U7.33 U8.2 U8.13 U8.23 U8.25 U8.36 U8.48 U9.3 U9.7 U10.5 U10.6 U10.7 U10.8 U15.2 U16.4 U19.2 U20.4 U21.2 U21.7 U21.8 U21.9 X1.2 X1.4 X2.2 X2.4 | length 6967.1
  TOP w5: v1(-2753.84,1130.92) -2743.23,1120.31 -2735.82,1120.31 -2720,1104.49 -2707,1104.49 -2699.11,1096.6 U2.J8@-2691.38,1096.6 ; U2.G8@-2648.07,1143.07 v1(-2648.07,1162.92) -2646.84,1161.69 U2.G8@-2646.84,1141.14 ; v1(-2626.43,1231.92) -2625.43,1231.92 v1@-2601.46,1207.95 ; U2.E8@-2602.29,1187.61 U2.E8@-2602.29,1185.69 U2.E8@-2602.11,1187.61 ; U2.E8@-2602.29,1187.61 v1@-2602.29,1206.19 ; U2.E8@-2602.29,1187.61 U2.E8@-2602.11,1187.61 ; v1@-2602.29,1206.19 v1(-2602.11,1206.37) ; v1@-2602.29,1206.19 v1(-2602.11,1206.37) v1@-2601.46,1207.95 ; U2.E8@-2602.11,1187.61 v1(-2602.11,1206.37) ; v1(-2602.11,1206.37) v1@-2601.46,1207.95 ; C35.1@-2024.79,1127.93 -2024.43,1127.57 -2024.43,1125.97 C35.1@-2024.79,1127.93